# Altium PCB radxa_cm4_io_v1.10.PcbDoc (part 7 of 8) (continued)
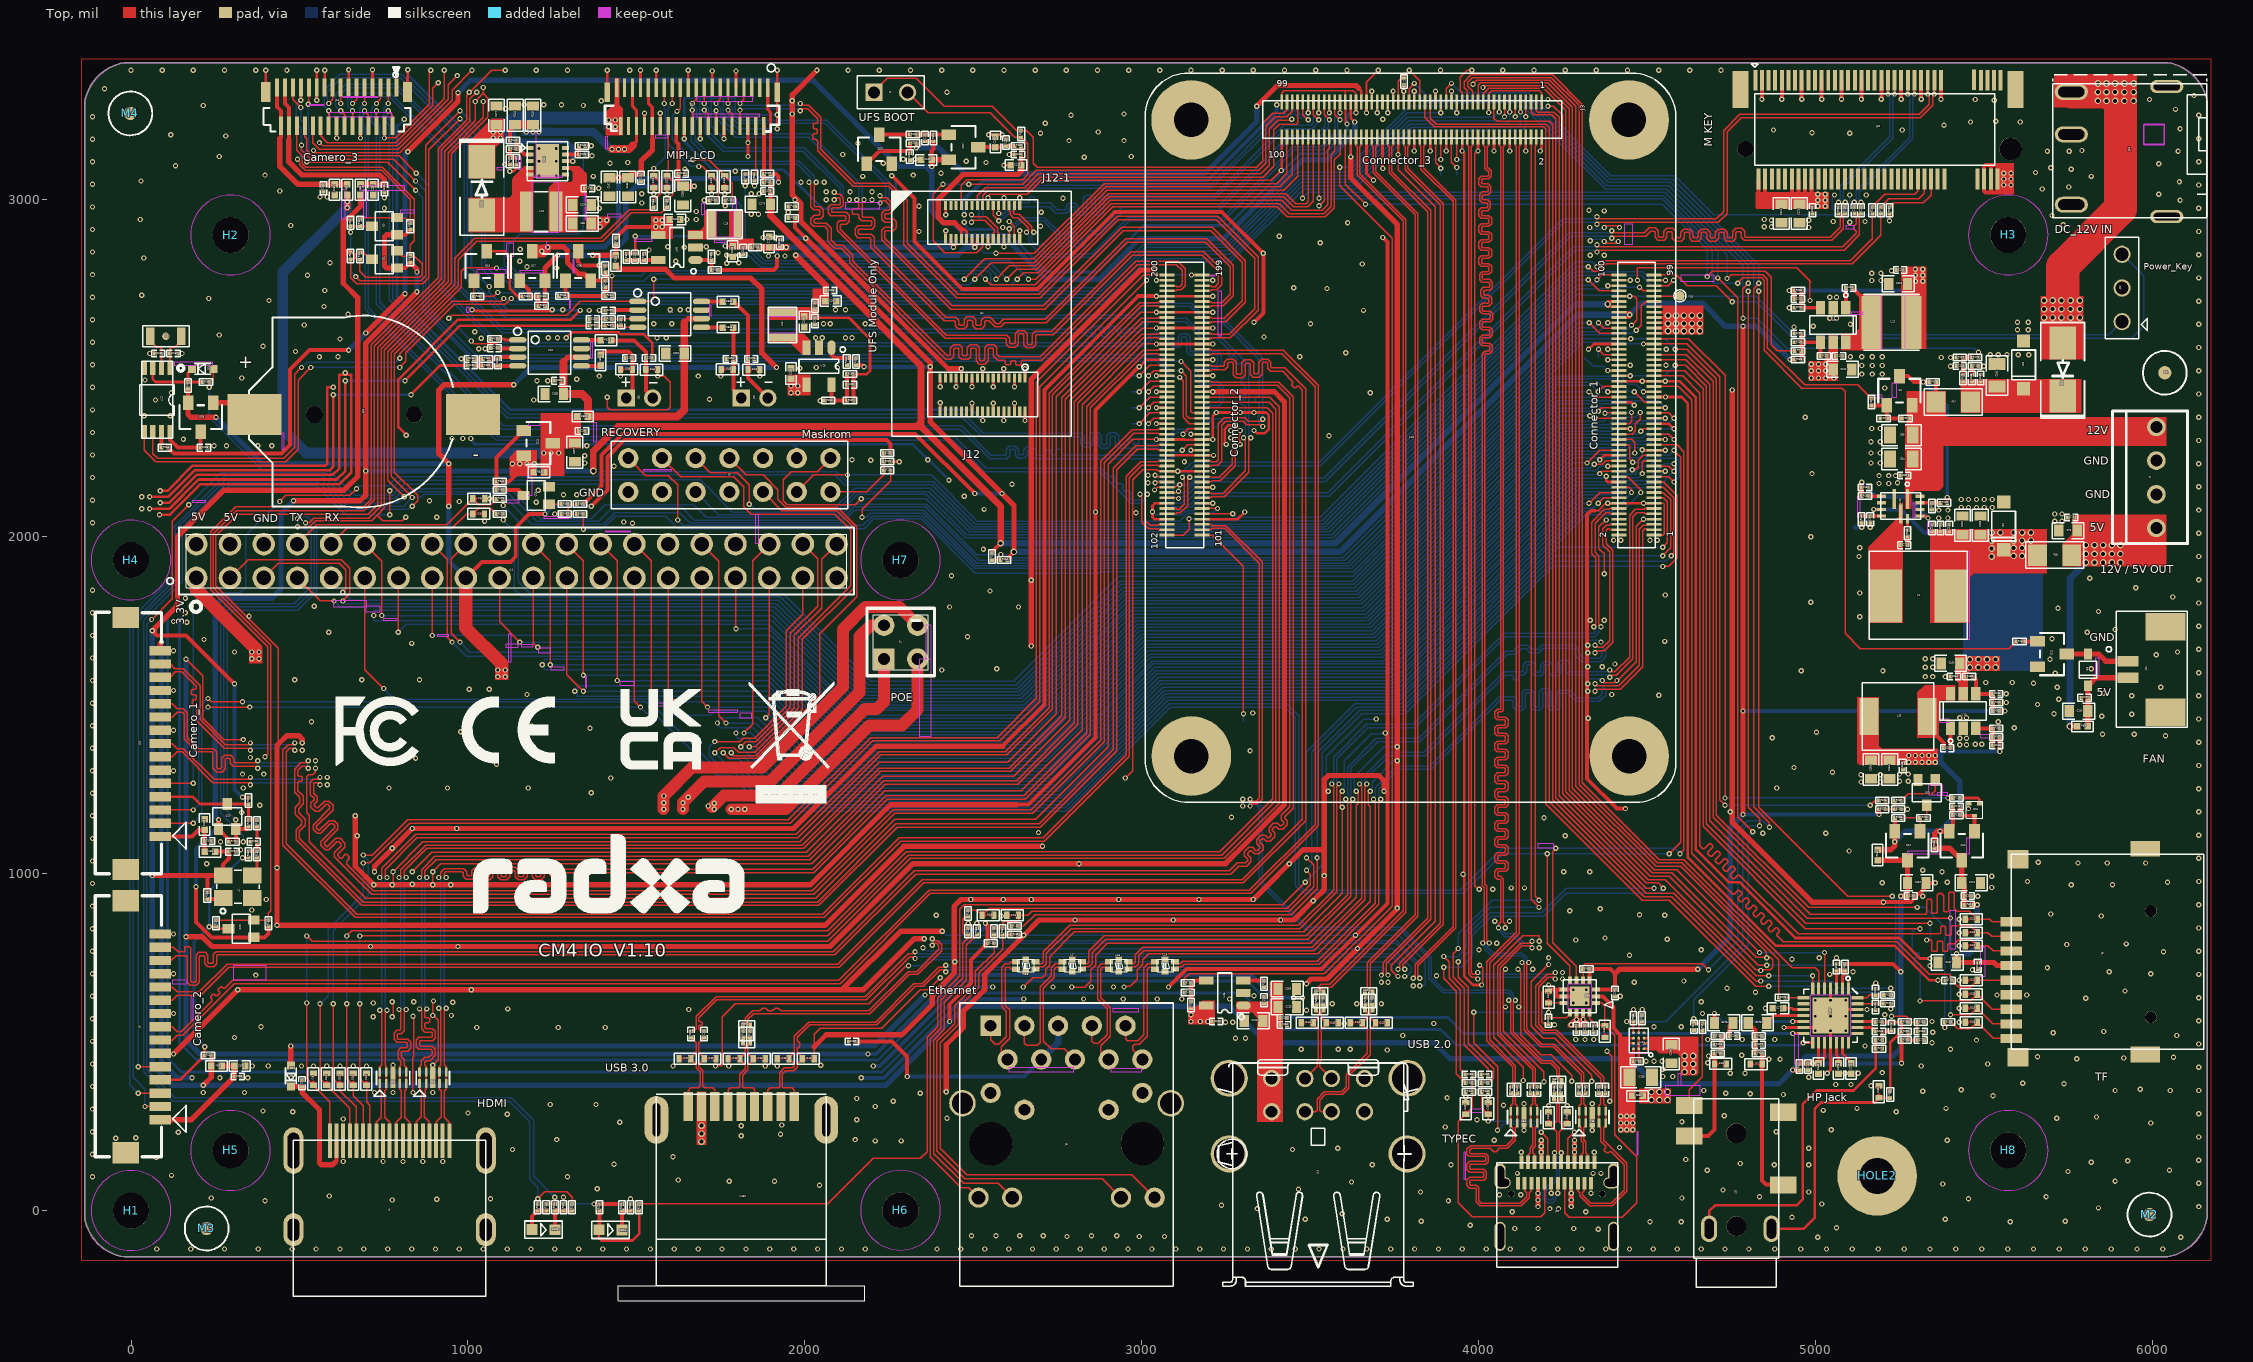
[diagram p0: Top view]
## Nets (pads, with @x,y where several pads share a name; then routed paths per layer and width w, separated by ;. In a path a pad name is that pad's centre, name@x,y a point inside that pad or via, vN(x,y) a via of type N, cw(c..) or ccw(c..) an arc to the next point about the centre after c; other vN are vias at no path point) (continued)
  Top w15.75: D29.2@169.29,2397.64 169.29,2362.2 177.17,2354.33 v1(251.97,2354.33) ; v1(942.91,2090.55) v1(942.91,2216.54) 913.39,2246.06 913.39,2435.04 929.13,2450.79 v1(1135.83,2450.79) ; R254.1@1438.98,2803.15 1448.82,2793.31 1586.61,2793.31 1612.2,2767.72 1838.58,2767.72 1872.05,2734.25 1872.05,2545.28 v1(1915.35,2501.97) ; R164.2@5183.07,1070.87 5222.44,1070.87 5234.25,1082.68 v1(5234.25,1094.49) Q12.2@5234.25,1125.99 ; R231.1@5352.36,1094.49 5352.36,1118.11 5360.24,1125.98 v1(5368.11,1125.98) Q14.2@5395.67,1125.99 Q14.2@5395.67,1114.17
  Top w39.37: J11.1@193.7,1877.56 193.7,1843.7 370.08,1667.32 370.08,1648.62 370.08,1646.39 370.08,1644.98 ; J11.17@993.7,1877.56 993.7,1728.74 1100.39,1622.05 1100.39,1604.33 1100.39,1595.19
  Bottom w11.81: v1(1228.35,2066.93) 1251.97,2090.55 v1(1366.14,2090.55) ; v1(5354.33,1350.39) 5366.14,1362.2 v1(5545.28,1362.2)
  Bottom w15.75: v1(251.97,2354.33) 389.76,2216.54 v1(942.91,2216.54) ; v1(942.91,2090.55) 942.91,1928.35 J11.17@993.7,1877.56 ; v1(1135.83,2450.79) 1187.01,2501.97 v1(1915.35,2501.97) ; v1(5234.25,1094.49) 5265.75,1125.98 v1(5368.11,1125.98) 5427.17,1185.04 5427.17,1273.62 5370.08,1330.71 v1(5354.33,1330.71) v1(5334.65,1330.71) v1(5314.96,1330.71) v1(5295.28,1330.71) v1(5275.59,1330.71)
  other v1: 5275.59,1350.39 5295.28,1350.39 5314.96,1350.39 5334.65,1350.39 1110.24,1584.65 1110.24,1604.33
VCC5V: C78.1 C79.1 FB9.1 J4.4 J11.2 J11.4 R18.2 | length 577.8
  Top w19.68: v2(5753.94,1437.01) FB9.1@5775.59,1437.01 ; R18.2@5759.84,1944.88 5779.53,1944.88 v2(5801.18,1923.23)
  Bottom w19.68: v2(5753.94,1437.01) 5753.94,1875.98 v2(5801.18,1923.23)
  other v2: 5826.77,1923.23 5852.36,1923.23 5877.95,1923.23 5903.54,1923.23 5801.18,1948.82 5826.77,1948.82 5852.36,1948.82 5877.95,1948.82 5903.54,1948.82 5801.18,1974.41 5826.77,1974.41 5852.36,1974.41 5877.95,1974.41 5903.54,1974.41
VCC12V: C83.1 C84.1 C89.1 J4.1 Q1.2 R1.1 R5.2 R17.2 U10.1 | length 59.1
  Top w11.81: R17.2@5356.3,2399.61 R1.1@5356.3,2458.66
VCC12V_DCIN: C155.1 C161.2 C162.1 D4.2 D5.2 R17.1 R176.2
VCC_1V8_S0: C178.1 C179.1 Q2.1 Q3.1 Q19.1 Q20.1 R9.2 R12.2 R212.2 R215.2 R233.1 R271.2 U33.88 U33.90 | length 8367.9
  Top w7.87: U33.88@4415.35,2681.89 4382.28,2681.89 v2(4382.28,2689.76) 4382.28,2697.64 U33.90@4415.35,2697.64
  Top w11.81: v1(192.91,960.63) 192.91,856.3 238.19,811.02 Q19.1@364.17,811.02 395.67,811.02 407.48,822.83 R212.2@407.48,842.52 ; Q20.1@259.84,1131.89 291.34,1100.4 R271.2@291.34,1094.49 ; Q2.1@789.37,2797.24 812.99,2797.24 R9.2@828.74,2812.99 ; Q3.1@789.37,2895.67 812.99,2895.67 R12.2@828.74,2911.42 ; C179.1@1897.64,2986.22 C178.1@1897.64,3025.59 R233.1@1897.64,3051.18 ; R215.2@2555.12,1950.79 2555.12,1954.72 v2(2580.71,1980.32)
  Top w15.75: Q20.1@259.84,1131.89 v1(259.84,1159.45) ; v1(482.28,2106.3) 679.13,2106.3 696.85,2124.02 v1(696.85,2194.88) 696.85,2574.8 v1(848.43,2726.38) ; Q2.1@789.37,2797.24 757.87,2797.24 751.97,2803.15 751.97,2889.76 757.87,2895.67 Q3.1@789.37,2895.67 ; R9.2@828.74,2812.99 848.43,2793.31 v1(848.43,2785.43)
  Top w19.68: v2(1372.05,2194.88) 1372.05,2253.94 1444.88,2326.77 2330.71,2326.77 ; C179.1@1897.64,2986.22 1897.64,2952.76 2344.49,2505.91 2344.49,2340.55 ; v2(2580.71,1980.32) 2580.71,2090.55 2344.49,2326.77 ; 2330.71,2326.77 2344.49,2340.55 ; 2330.71,2326.77 2344.49,2326.77 ; 2344.49,2326.77 2344.49,2340.55
  Bottom w11.81: v1(192.91,960.63) 192.91,1072.83 259.84,1139.76 v1(259.84,1159.45)
  Bottom w15.75: v1(259.84,1159.45) 250,1169.29 250,1797.24 269.69,1816.93 417.32,1816.93 444.88,1844.49 444.88,2068.9 v1(482.28,2106.3) ; v1(696.85,2194.88) v2(1372.05,2194.88) ; v1(848.43,2726.38) v1(848.43,2785.43)
  Bottom w19.68: v2(2580.71,1980.32) 3574.8,1980.32 4284.25,2689.76 v2(4382.28,2689.76)
VCC_1V8_S3: C227.1 C228.1 J3.73 Q22.2 R263.1 R321.1 | length 5152.8
  Top w3.94: J3.73@3619.3,3287.4 J3.73@3619.3,3289.77
  Top w7.87: J3.73@3619.29,3287.4 3619.29,3242.91 v1(3631.89,3230.32)
  Top w11.81: R263.1@110.24,2263.78 127.95,2246.06 446.85,2246.06 472.44,2271.65 472.44,2496.06 529.53,2553.15 v1(645.67,2553.15) ; C228.1@2356.3,3173.23 R321.1@2381.89,3173.23 2381.89,3150.59 2375.98,3144.69 C227.1@2375.98,3118.11
  Top w15.75: v1(696.85,2604.33) v1(812.99,2720.47) ; v1(820.87,3141.73) 970.47,3291.34 v1(970.47,3316.93) ; v1(2375.98,3098.43) C227.1@2375.98,3118.11 2395.67,3118.11 Q22.2@2427.16,3118.11
  Bottom w3.94: v1@2375.98,3096.46 v1(2375.98,3098.43)
  Bottom w15.75: v1(645.67,2553.15) v1(696.85,2604.33) ; v1(812.99,2720.47) 812.99,3133.86 v1(820.87,3141.73) ; v1(970.47,3316.93) 1007.87,3354.33 2023.62,3354.33 2279.53,3098.43 2358.27,3098.43 ; v1@2375.98,3096.46 2375.98,3080.71 ; v1(2375.98,3098.43) 2358.27,3098.43 ; v1(3631.89,3230.32) 3631.89,3200.79 3549.21,3118.11 3476.38,3118.11 3242.13,2883.86 2992.13,2883.86 2872.05,2763.78 2716.54,2763.78 2600.39,2879.92 2564.96,2879.92 2551.18,2893.7 2478.35,2893.7 2440.94,2931.1 2411.42,2931.1 2375.98,2966.54 2375.98,3080.71 ; 2358.27,3098.43 2375.98,3080.71
VCC_3V3_S0: C269.1 R3.2 R204.1 R214.2 R288.1 R303.1 R327.1 R331.1 R351.1 R357.1 U33.84 U33.86 U36.3 U36.4 | length 9721.1
  Top w7.87: U33.84@4415.35,2650.39 4447.24,2650.39 v1(4447.24,2658.27) 4447.24,2666.14 U33.86@4415.35,2666.14
  Top w11.81: R357.1@1342.52,2096.46 1395.67,2149.61 1395.67,2242.13 1458.66,2305.12 2326.77,2305.12 v1(2503.94,2127.95) ; R331.1@1742.13,2791.34 1907.48,2791.34 1917.32,2801.18 v1(1917.32,2832.68) ; R3.2@1970.47,2944.88 1970.47,2917.32 v1(2001.97,2885.83) ; R303.1@2151.57,2509.84 2167.32,2509.84 2173.23,2503.94 v1(2175.2,2503.94) ; R214.2@2600.39,1931.1 2600.39,1935.04 v2(2620.08,1954.72) ; U36.4@4328.74,683.46 R351.1@4328.74,716.54 4389.76,716.54 4403.54,702.76 C269.1@4403.54,655.51 U36.3@4346.85,655.51 ; v1(4923.23,2525.59) R288.1@4937.01,2525.59 ; v1(5187.01,1175.2) R327.1@5187.01,1190.94 ; R204.1@5545.28,1482.28 v1(5561.02,1482.28)
  Top w15.75: v1(2001.97,2885.83) 2372.05,2515.75 v1(2372.05,2503.94) 2372.05,2340.55 v1(2584.65,2127.95) 2620.08,2092.52 v2(2620.08,1954.72) ; 4403.54,702.76 4417.32,716.54 v1(4649.61,716.54) ; v1(4783.46,1175.2) v1(4783.46,1482.28) v1(4783.46,2624.02)
  Bottom w11.81: v1(1917.32,2832.68) 1917.32,2862.2 1940.94,2885.83 v1(2001.97,2885.83) ; v1(2175.2,2503.94) v1(2372.05,2503.94) ; v1(2503.94,2127.95) v1(2584.65,2127.95) ; v1(4783.46,1175.2) v1(5187.01,1175.2) ; v1(4783.46,1482.28) v1(5561.02,1482.28)
  Bottom w15.75: v1(4447.24,2658.27) 4481.89,2692.91 4663.39,2692.91 4732.28,2624.02 v1(4783.46,2624.02) 4824.8,2624.02 v1(4923.23,2525.59) ; v1(4649.61,716.54) 4746.06,812.99 4746.06,1137.8 v1(4783.46,1175.2)
  Bottom w19.68: v2(2620.08,1954.72) 3588.58,1954.72 4292.13,2658.27 v1(4447.24,2658.27)
VCC_LDO5V: P1.1 R181.1 | length 35.4
  Top w9.84: v1(5135.83,2027.56) R181.1@5135.83,2041.34
  Bottom w11.81: P1.1@5114.17,2027.56 v1(5135.83,2027.56)
VCC_LEDA2: C177.1 D24.2 U20.38 U20.39 U21.8 | length 916.5
  Top w9.84: U20.39@1440.94,3331.89 1440.94,3277.56 1452.76,3265.75 U20.38@1452.76,3218.71
  Top w11.81: U21.8@1289.37,3114.17 v1(1311.02,3114.17)
  Top w35.43: D24.2@1041.34,3112.2 1041.34,3179.13 C177.1@1084.65,3222.44
  Bottom w3.94: 1427.17,3226.38 v1(1437.01,3216.54)
  Bottom w15.75: v1(1096.46,3183.07) 1096.46,3179.13 1090.55,3173.23 1291.34,3173.23 1311.02,3153.54 v1(1311.02,3114.17)
  Bottom w39.37: v1(1096.46,3200.79) 1137.8,3242.13 1411.42,3242.13 1427.17,3226.38
  other v1: 1074.8,3183.07 1074.8,3200.79 1417.32,3216.54 1417.32,3236.22 1437.01,3236.22
VCC_LEDK2: R240.2 R244.1 R245.1 U20.34 U20.35 | length 688.4
  Top w3.94: R245.1@1191.56,3222.44 R245.1@1192.91,3222.44 v1(1192.91,3200.79) ; v1(1427.17,3149.61) v1@1427.41,3149.61
  Top w9.84: U20.35@1488.19,3331.89 1488.19,3277.56 1500,3265.75 U20.34@1500,3218.71 1500,3171.26 1490.16,3161.42
  Top w11.81: R240.2@1124.02,3175.2 1124.02,3206.69 R244.1@1139.76,3222.44
  Top w23.62: R244.1@1139.76,3222.44 R245.1@1191.56,3222.44 ; v1@1427.41,3149.61 v1(1446.85,3149.61) v1(1464.57,3149.61) 1478.35,3149.61 1490.16,3161.42
  Bottom w23.62: v1(1173.23,3200.79) v1(1192.91,3200.79) v1(1210.63,3200.79) 1372.05,3200.79 1423.23,3149.61 v1(1464.57,3149.61)
VCC_RTC: C188.1 D29.3 U22.8 | length 171.2
  Top w11.81: U22.8@116.14,2311.02 116.14,2287.4 139.76,2263.78 C188.1@206.69,2263.78 D29.3@206.69,2311.02
VCC_TP: C185.1 C186.1 Q16.3 R232.2 U20.24 | length 790.7
  Top w9.84: 1618.11,3171.26 U20.24@1618.11,3218.71
  Top w11.81: Q16.3@1326.77,2846.46 1326.77,2814.96 1336.61,2805.12 v1(1389.76,2805.12) R232.2@1407.48,2805.12 ; 1618.11,3171.26 1624.02,3165.35 C186.1@1624.02,3076.77 1624.02,3051.18 1625.98,3051.18 C185.1@1637.8,3039.37
  Top w15.75: C185.1@1637.8,3039.37 v1(1671.26,3039.37)
  Bottom w15.75: v1(1389.76,2805.12) 1468.5,2883.86 1468.5,3009.84 1498.03,3039.37 v1(1671.26,3039.37)
VCC_UFS1V2_S0_P: C239.1 C240.1 C242.1 L29.2 R328.1 R329.1 | length 428.9
  Top w7.87: R329.1@1470.47,2840.55 1494.86,2840.55 1496.06,2841.75 v1(1496.06,2891.73) C242.1@1496.06,2840.55 ; v1(1763.78,2862.2) C239.1@1785.43,2862.2
  Bottom w7.87: v1(1496.06,2891.73) 1734.25,2891.73 v1(1763.78,2862.2)
VCC_UFS_S0: C207.1 C208.1 J12.55 J12.56 R284.2 | length 771.5
  Top w9.84: J12.55@2495.67,2883.86 2495.67,2866.54 v1(2503.94,2858.27) 2511.42,2865.75 J12.56@2511.42,2883.86
  Top w19.68: v1(1972.44,2834.65) 2061.02,2746.06 C207.1@2061.02,2698.82
  Bottom w15.75: v1(1972.44,2834.65) 2452.76,2834.65 2476.38,2858.27 v1(2503.94,2858.27)
VCCA3V3_CODEC: C243.1 C244.1 FB15.2 R304.2 U27.16 U27.17 | length 519.1
  Top w7.87: C244.1@5007.87,437.01 5017.72,446.85 5025.59,454.72 U27.17@5025.59,498.03 ; C244.1@5007.87,437.01 U27.16@5007.88,498.03
  Top w11.81: v1(5253.94,437.01) R304.2@5253.94,505.91
  Top w15.75: FB15.2@4950.79,437.01 C243.1@4976.38,437.01 v1(4990.16,437.01) C244.1@5007.87,437.01
  Bottom w11.81: v1(4990.16,437.01) v1(5253.94,437.01)
VCCIO_CODEC: C236.1 FB14.2 U27.2 U27.3 | length 135.2
  Top w7.87: U27.3@5061.03,659.45 C236.1@5061.02,712.6 ; U27.2@5078.74,659.45 5078.74,694.88 5086.61,702.76 FB14.2@5086.61,712.6
  Top w11.81: C236.1@5061.02,712.6 FB14.2@5086.61,712.6
VDDA_1V2_S0: J3.69 R323.1 | length 1540.2
  Top w3.94: J3.69@3650.79,3289.77 J3.69@3650.79,3290.4
  Top w7.87: 3643.7,3329.92 3650.79,3322.83 J3.69@3650.79,3290.4
  Top w11.81: v1(2330.71,3153.54) R323.1@2330.71,3167.32
  Top w15.75: v1(3340.55,3277.56) 3401.57,3338.58 3635.04,3338.58 3643.7,3329.92
  Bottom w15.75: v1(2330.71,3153.54) 2397.64,3153.54 2474.41,3076.77 3185.04,3076.77 3340.55,3232.28 v1(3340.55,3277.56)
VMID_ES8388: C274.1 U27.20 | length 71.6
  Top w7.87: U27.20@5078.74,498.03 5078.74,466.54 5104.33,440.94 C274.1@5104.33,437.01
VREF_ES8388: C272.1 U27.10 | length 60.7
  Top w7.87: C272.1@4903.54,600.39 4929.14,600.39 4933.07,596.46 U27.10@4962.6,596.46
pads on no net: H1.1 H2.1 H3.1 H4.1 H5.1 H6.1 H7.1 H8.1 J6.21 J6.22 J8.14 J8.15 J12.2 J12.4 J12.6 J12.8 J12.10 J12.12 J12.15 J12.16 J12.19 J12.20 J12.21 J12.22 J12.23 J12.25 J12.27 J12.29 J12.31 J12.33 J12.44 J12.45 J12.47 J12.48 J15.H1 J15.H2 J23.3 J23.4 J25.1 J25.7 J25.8 J30.5 J30.6 J30.7 J30.8 J30.10 J30.11 J30.13 J30.17 J30.19 J30.20 J30.22 J30.23 J30.24 J30.25 J30.26 J30.28 J30.29 J30.30 J30.31 J30.32 J30.34 J30.35 J30.36 J30.37 J30.38 J30.40 J30.42 J30.44 J30.46 J30.48 J30.56 J30.58 J30.67 J30.68 J30.69 J30.76 J30.77 M1.1 M2.1 M3.1 M4.1 U10.4 U10.12 U20.3 U20.5 U20.36 U20.37 U21.1 U21.3 U21.6 U21.10 U27.9 U27.21 U27.22 U27.25 U37.D1 Y3.3

## Polygon pours and split planes (outlines as drawn)
GND on Power (solid, remove dead copper, pour order 12): 6084.65,2066.93 6084.65,1832.68 6188.98,1832.68 6188.98,3433.07 -163.39,3433.07 -163.39,-163.39 6188.98,-163.39 6188.98,1818.9 6084.65,1818.9 6084.65,1647.64 5929.13,1647.64 5929.13,773.62 5438.98,283.46 4478.35,283.46 4478.35,-31.5 4133.86,-31.5 4133.86,283.46 3208.66,283.46 3125.98,366.14 3125.98,590.55 2379.92,590.55 1726.38,1244.09 289.37,1244.09 289.37,1669.29 133.86,1669.29 133.86,2208.66 486.22,2208.66 486.22,3379.92 4883.86,3379.92 4883.86,3033.46 5047.24,3033.46 5047.24,2968.5 5147.64,2968.5 5295.28,3116.14 5604.33,3116.14 5604.33,3011.81 5513.78,3011.81 5435.04,2933.07 5435.04,2746.06 5655.51,2746.06 5655.51,3366.14 5982.28,3366.14 5982.28,3263.78 6104.33,3263.78 6104.33,2598.43 5665.35,2598.43 5665.35,2066.93
VCC3V3_SYS on Power (solid, remove dead copper, pour order 11): 297.24,1669.29 297.24,1251.97 1732.28,1251.97 2381.89,602.36 4937.01,602.36 5401.57,1066.93 5401.57,1645.67 4541.34,1645.67 4397.64,1789.37 4124.02,1789.37 3850.39,1515.75 2108.27,1515.75 1954.72,1669.29
+5V_INPUT on Power (solid, remove dead copper, pour order 9): 4874.02,590.55 4874.02,291.34 5435.04,291.34 5921.26,777.56 5921.26,1647.64 5413.39,1647.64 5413.39,1064.96 4938.98,590.55
VBUS_TYPEC0 on Power (solid, remove dead copper, pour order 8): 4470.47,287.4 4141.73,287.4 4141.73,-23.62 4470.47,-23.62
3V3_PCIE on Power (solid, remove dead copper, pour order 7): 5039.37,3025.59 4883.86,3025.59 4883.86,2746.06 5427.17,2746.06 5427.17,2937.01 5509.84,3019.69 5596.46,3019.69 5596.46,3108.27 5301.18,3108.27 5153.54,2960.63 5039.37,2960.63
GND on Power (solid, remove dead copper, pour order 6): 6188.98,1809.06 6188.98,1848.43 6084.65,1848.43 6084.65,1809.06
VCC5V on Power (solid, remove dead copper, pour order 5): 6074.8,2059.06 5663.39,2059.06 5663.39,1923.23 5220.47,1923.23 5220.47,2318.9 3984.25,2318.9 3712.6,2047.24 2625.98,2047.24 2411.42,2261.81 1417.32,2261.81 1356.3,2200.79 141.73,2200.79 141.73,1677.17 1960.63,1677.17 2114.17,1523.62 3842.52,1523.62 4116.14,1797.24 4405.51,1797.24 4547.24,1655.51 6074.8,1655.51
+5V_INPUT on Power (solid, remove dead copper, pour order 4): 3133.86,590.55 3133.86,370.08 3212.6,291.34 4976.38,291.34 4976.38,590.55
+5V_INPUT on Power (solid, remove dead copper, pour order 2): 5655.51,2738.19 4875.98,2738.19 4875.98,3374.02 494.09,3374.02 494.09,2208.66 1348.43,2208.66 1409.45,2269.69 2417.32,2269.69 2631.89,2055.12 3708.66,2055.12 3980.32,2326.77 5230.32,2326.77 5230.32,1931.1 5655.51,1931.1
N38162991 on Power (solid, remove dead copper, pour order 0): 5974.41,3358.27 5665.35,3358.27 5665.35,2606.3 6096.46,2606.3 6096.46,3255.91 5974.41,3255.91
GND on GND (solid, remove dead copper, pour order 1): -155.51,3425.2 -155.51,-155.51 6181.1,-155.51 6181.1,3425.2
GND on Bottom (solid, remove dead copper, pour order 3): -171.26,3440.94 -171.26,-171.26 6196.85,-171.26 6196.85,3440.94
GND on Top (solid, remove dead copper, pour order 10): -147.64,3417.32 -147.64,-147.64 6173.23,-147.64 6173.23,3417.32

## Keep-outs
Top:
  region: 696.85,1777.56 740.16,1777.56 740.16,1793.31 696.85,1793.31 696.85,1777.56
  region: 1407.48,3151.57 1415.35,3151.57 1415.35,3187.01 1407.48,3187.01 1407.48,3151.57
  region: 1135.83,2832.68 1135.83,2870.08 1114.17,2870.08 1114.17,2832.68 1135.83,2832.68
  region: 5488.19,1403.54 5517.72,1403.54 5517.72,1411.42 5488.19,1411.42 5488.19,1403.54
  region: 799.21,2968.5 799.21,2960.63 842.52,2960.63 842.52,2968.5 799.21,2968.5
  region: 1301.18,2702.76 1301.18,2677.17 1305.12,2677.17 1305.12,2702.76 1301.18,2702.76
  region: 1730.32,2874.02 1763.78,2874.02 1763.78,2879.92 1730.32,2879.92 1730.32,2874.02
  region: 683.07,3027.56 812.99,3027.56 812.99,3041.34 683.07,3041.34 683.07,3027.56
  region: 1224.41,2055.12 1301.18,2055.12 1301.18,2059.06 1224.41,2059.06 1224.41,2055.12
  region: 1127.95,1627.95 1127.95,1710.63 1120.08,1710.63 1120.08,1627.95 1127.95,1627.95
  region: 5088.58,2923.23 5088.58,2913.39 5114.17,2913.39 5114.17,2923.23 5088.58,2923.23
  region: 3954.72,92.52 3960.63,92.52 3960.63,173.23 3954.72,173.23 3954.72,92.52
  region: 2913.39,598.43 2913.39,590.55 2990.16,590.55 2990.16,598.43 2913.39,598.43
  region: 1311.02,2783.46 1314.96,2783.46 1314.96,2820.87 1311.02,2820.87 1311.02,2783.46
  region: 1003.94,2665.35 1003.94,2681.1 994.09,2681.1 994.09,2665.35 1003.94,2665.35
  region: 5368.11,1059.06 5368.11,1066.93 5271.65,1066.93 5271.65,1059.06 5368.11,1059.06
  region: 2222.44,2972.44 2222.44,2990.16 2120.08,2990.16 2120.08,2972.44 2222.44,2972.44
  region: 3224.41,2728.35 3224.41,2596.46 3236.22,2596.46 3236.22,2728.35 3224.41,2728.35
  region: 1108.27,3088.58 1108.27,3094.49 1084.65,3094.49 1084.65,3088.58 1108.27,3088.58
  region: 1025.59,2781.5 1114.17,2781.5 1114.17,2791.34 1025.59,2791.34 1025.59,2781.5
  region: 1179.13,2338.58 1179.13,2330.71 1214.57,2330.71 1214.57,2338.58 1179.13,2338.58
  region: 1712.6,1478.35 1801.18,1478.35 1801.18,1484.25 1712.6,1484.25 1712.6,1478.35
  region: 4472.44,234.25 4468.5,234.25 4468.5,165.35 4472.44,165.35 4472.44,234.25
  region: 5192.91,2553.15 5265.75,2553.15 5265.75,2718.5 5192.91,2718.5 5192.91,2553.15
  region: 1208.66,1655.51 1246.06,1655.51 1246.06,1669.29 1208.66,1669.29 1208.66,1655.51
  region: 4222.44,1088.58 4175.2,1088.58 4175.2,1076.77 4222.44,1076.77 4222.44,1088.58
  region: 4263.78,671.26 4263.78,600.39 4334.65,600.39 4334.65,671.26 4263.78,671.26
  region: 3974.41,291.34 4011.81,291.34 4011.81,301.18 3974.41,301.18 3974.41,291.34
  region: 1547.24,2875.98 1547.24,2881.89 1494.09,2881.89 1494.09,2875.98 1547.24,2875.98
  region: 572.83,3281.5 527.56,3281.5 527.56,3279.53 572.83,3279.53 572.83,3281.5
  region: 5415.35,777.56 5415.35,889.76 5397.64,889.76 5397.64,777.56 5415.35,777.56
  region: 1797.24,3001.97 1783.46,3001.97 1783.46,2966.54 1797.24,2966.54 1797.24,3001.97
  region: 1362.2,2531.5 1370.08,2531.5 1370.08,2576.77 1362.2,2576.77 1362.2,2531.5
  region: 5828.74,1639.76 5828.74,1588.58 5840.55,1588.58 5840.55,1639.76 5828.74,1639.76
  region: 2907.48,411.42 3000,411.42 3000,421.26 2907.48,421.26 2907.48,411.42
  region: 1281.5,3068.9 1194.88,3068.9 1194.88,3066.93 1281.5,3066.93 1281.5,3068.9
  region: 122.05,683.07 122.05,673.23 167.32,673.23 167.32,683.07 122.05,683.07
  region: 588.58,3246.06 773.62,3246.06 773.62,3257.87 588.58,3257.87 588.58,3246.06
  region: 1246.06,1604.33 1285.43,1604.33 1285.43,1612.2 1246.06,1612.2 1246.06,1604.33
  region: 5224.41,2454.72 5224.41,2413.39 5240.16,2413.39 5240.16,2454.72 5224.41,2454.72
  region: 5157.48,1694.88 5456.69,1694.88 5456.69,1954.72 5157.48,1954.72 5157.48,1694.88
  region: 127.95,2517.72 127.95,2507.87 242.13,2507.87 242.13,2517.72 127.95,2517.72
  region: 303.15,726.38 303.15,685.04 401.57,685.04 401.57,726.38 303.15,726.38
  region: 909.45,1704.72 942.91,1704.72 942.91,1708.66 909.45,1708.66 909.45,1704.72
  region: 1200.79,3068.9 1202.76,3068.9 1202.76,3196.85 1200.79,3196.85 1200.79,3068.9
  region: 1350.39,2940.94 1350.39,3023.62 1346.46,3023.62 1346.46,2940.94 1350.39,2940.94
  region: 4935.04,435.04 4948.82,435.04 4948.82,521.65 4935.04,521.65 4935.04,435.04
  region: 5375.98,1261.81 5332.68,1261.81 5332.68,1234.25 5375.98,1234.25 5375.98,1261.81
  region: 4590.55,405.51 4590.55,372.05 4600.39,372.05 4600.39,405.51 4590.55,405.51
  region: 1610.24,1498.03 1610.24,1505.91 1547.24,1505.91 1547.24,1498.03 1610.24,1498.03
  region: 1234.25,2848.43 1234.25,2872.05 1232.28,2872.05 1232.28,2848.43 1234.25,2848.43
  region: 2604.33,411.42 2797.24,411.42 2797.24,423.23 2604.33,423.23 2604.33,411.42
  region: 1352.36,1551.18 1352.36,1584.65 1348.43,1584.65 1348.43,1551.18 1352.36,1551.18
  region: 624.02,3029.53 624.02,2942.91 635.83,2942.91 635.83,3029.53 624.02,3029.53
  region: 5456.69,1059.06 5456.69,1104.33 5446.85,1104.33 5446.85,1059.06 5456.69,1059.06
  region: 4553.15,370.08 4553.15,342.52 4657.48,342.52 4657.48,370.08 4553.15,370.08
  region: 1190.94,2122.05 1190.94,2179.13 1175.2,2179.13 1175.2,2122.05 1190.94,2122.05
  region: 698.82,3029.53 688.98,3029.53 688.98,2948.82 698.82,2948.82 698.82,3029.53
  region: 2374.02,1635.83 2338.58,1635.83 2338.58,1407.48 2374.02,1407.48 2374.02,1635.83
  region: 1149.61,1671.26 1149.61,1681.1 1112.2,1681.1 1112.2,1671.26 1149.61,1671.26
  region: 1188.98,2903.54 1269.68,2903.54 1269.68,3051.18 1188.98,3051.18 1188.98,2903.54
  region: 1555.12,3190.94 1555.12,3183.07 1592.52,3183.07 1592.52,3190.94 1555.12,3190.94
  region: 1407.48,2015.75 1407.48,2013.78 1482.28,2013.78 1482.28,2015.75 1407.48,2015.75
  region: 1716.54,2687.01 1716.54,2655.51 1722.44,2655.51 1722.44,2687.01 1716.54,2687.01
  region: 1667.32,3246.06 1866.14,3246.06 1866.14,3253.94 1667.32,3253.94 1667.32,3246.06
  region: 5137.8,1566.93 5137.8,1366.14 5350.39,1366.14 5350.39,1566.93 5137.8,1566.93
  region: 5395.67,1458.66 5368.11,1458.66 5368.11,1448.82 5395.67,1448.82 5395.67,1458.66
  region: 1153.54,2789.37 1153.54,2783.46 1224.41,2783.46 1224.41,2789.37 1153.54,2789.37
  region: 1151.57,2100.39 1151.57,2108.27 1114.17,2108.27 1114.17,2100.39 1151.57,2100.39
  region: 5104.33,2659.45 5139.76,2659.45 5139.76,2665.35 5104.33,2665.35 5104.33,2659.45
  region: 5391.73,1240.16 5360.24,1240.16 5360.24,1232.28 5391.73,1232.28 5391.73,1240.16
  region: 627.95,3305.12 627.95,3303.15 732.28,3303.15 732.28,3305.12 627.95,3305.12
  region: 1450.79,1559.06 1494.09,1559.06 1494.09,1568.9 1450.79,1568.9 1450.79,1559.06
  region: 1157.48,1673.23 1192.91,1673.23 1192.91,1679.13 1157.48,1679.13 1157.48,1673.23
  region: 600.39,1791.34 698.82,1791.34 698.82,1809.06 600.39,1809.06 600.39,1791.34
  region: 5295.28,2098.43 5287.4,2098.43 5287.4,2057.09 5295.28,2057.09 5295.28,2098.43
  region: 181.1,2106.3 181.1,2102.36 222.44,2102.36 222.44,2106.3 181.1,2106.3
  region: 4598.43,2775.59 4598.43,2757.87 4698.82,2757.87 4698.82,2775.59 4598.43,2775.59
  region: 1679.13,3305.12 1679.13,3291.34 1844.49,3291.34 1844.49,3305.12 1679.13,3305.12
  region: 1149.61,3125.98 1149.61,3090.55 1157.48,3090.55 1157.48,3125.98 1149.61,3125.98
  region: 446.85,2307.09 446.85,2259.84 454.72,2259.84 454.72,2307.09 446.85,2307.09
  region: 4431.1,2927.17 4431.1,2868.11 4456.69,2868.11 4456.69,2927.17 4431.1,2927.17
  region: 748.03,1751.97 789.37,1751.97 789.37,1755.91 748.03,1755.91 748.03,1751.97
  region: 177.17,633.86 177.17,566.93 185.04,566.93 185.04,633.86 177.17,633.86
  region: 5196.85,2419.29 5171.26,2419.29 5171.26,2411.42 5196.85,2411.42 5196.85,2419.29
  region: 2374.02,1736.22 2358.27,1736.22 2358.27,1637.8 2374.02,1637.8 2374.02,1736.22
  region: 1807.09,1462.6 1842.52,1462.6 1842.52,1476.38 1807.09,1476.38 1807.09,1462.6
  region: 3200.79,2773.62 3220.47,2773.62 3220.47,2775.59 3200.79,2775.59 3200.79,2773.62
  region: 4503.94,541.34 4444.88,541.34 4444.88,466.54 4503.94,466.54 4503.94,541.34
  region: 1604.33,2194.88 1604.33,2198.82 1519.68,2198.82 1519.68,2194.88 1604.33,2194.88
  region: 5122.05,2118.11 5122.05,2059.06 5131.89,2059.06 5131.89,2118.11 5122.05,2118.11
  region: 1692.91,2988.19 1692.91,2956.69 1702.76,2956.69 1702.76,2988.19 1692.91,2988.19
  region: 1852.36,1980.32 1862.2,1980.32 1862.2,2064.96 1852.36,2064.96 1852.36,1980.32
  region: 5338.58,2043.31 5330.71,2043.31 5330.71,2007.87 5338.58,2007.87 5338.58,2043.31
  region: 1413.39,2956.69 1413.39,2948.82 1454.72,2948.82 1454.72,2956.69 1413.39,2956.69
  region: 5488.19,694.88 5501.97,694.88 5501.97,781.5 5488.19,781.5 5488.19,694.88
  region: 1372.05,2338.58 1372.05,2281.5 1381.89,2281.5 1381.89,2338.58 1372.05,2338.58
Bottom:
  region: 3003.94,2133.86 3003.94,2222.44 2958.66,2222.44 2958.66,2133.86 3003.94,2133.86
  region: 3415.35,3253.94 3415.35,3218.5 3464.57,3218.5 3464.57,3253.94 3415.35,3253.94
  region: 194.88,340.55 206.69,340.55 206.69,358.27 194.88,358.27 194.88,340.55
  region: 5395.67,881.89 5344.49,881.89 5344.49,864.17 5395.67,864.17 5395.67,881.89
  region: 3161.42,2301.18 3151.57,2301.18 3151.57,2259.84 3161.42,2259.84 3161.42,2301.18
  region: 5287.4,895.67 5287.4,816.93 5303.15,816.93 5303.15,895.67 5287.4,895.67
  region: 3013.78,2679.13 3013.78,2608.27 3108.27,2608.27 3108.27,2679.13 3013.78,2679.13
  region: 2523.62,2966.54 2840.55,2966.54 2840.55,3029.53 2523.62,3029.53 2523.62,2966.54
  region: 3161.42,2637.8 3161.42,2555.12 3236.22,2555.12 3236.22,2637.8 3161.42,2637.8
  region: 730.31,3192.91 730.31,2931.1 763.78,2931.1 763.78,3192.91 730.31,3192.91
  region: 4427.17,2736.22 4427.17,2769.69 4413.39,2769.69 4413.39,2736.22 4427.17,2736.22
  region: 2692.91,2907.48 2692.91,2901.57 2744.09,2901.57 2744.09,2907.48 2692.91,2907.48
  region: 3187.01,2501.97 3187.01,2460.63 3240.16,2460.63 3240.16,2501.97 3187.01,2501.97
  region: 4553.15,2773.62 4553.15,2769.69 4675.2,2769.69 4675.2,2773.62 4553.15,2773.62
  region: 2667.32,2980.32 2667.32,2946.85 2722.44,2946.85 2722.44,2980.32 2667.32,2980.32
  region: 994.09,2696.85 994.09,2657.48 1023.62,2657.48 1023.62,2696.85 994.09,2696.85
  region: 3198.82,2393.7 3198.82,2348.43 3267.72,2348.43 3267.72,2393.7 3198.82,2393.7
  region: 45.28,328.74 45.28,314.96 124.02,314.96 124.02,328.74 45.28,328.74
  region: 1206.69,2655.51 1206.69,2580.71 2862.2,2580.71 2862.2,2655.51 1206.69,2655.51
  region: 3346.46,2334.65 3346.46,2519.69 3257.87,2519.69 3257.87,2334.65 3346.46,2334.65
  region: 6049.21,2675.2 5907.48,2675.2 5907.48,2661.42 6049.21,2661.42 6049.21,2675.2
  region: 5305.12,761.81 5375.98,761.81 5375.98,783.46 5305.12,783.46 5305.12,761.81
Keep-Out Layer:
  lines w3.94: -137.8,-19.29 -137.8,3288.58 ; -137.8,-19.23 ccw(c-0.02,0.38) -19.63,-137.41 ; -137.79,3288.63 cw(c4.92,3263.98) -19.73,3406.69 ; -19.69,-137.4 6043.7,-137.4 ; -19.69,3406.69 6043.7,3406.69 ; 6043.62,3406.71 cw(c6020.78,3265.66) 6161.78,3288.75 ; 6043.67,-137.41 ccw(c6017.43,6.98) 6161.82,-19.26 6161.81,3288.58 ; 5972.44,3163.39 5972.44,3224.41 6033.46,3224.41 6033.46,3163.39 5972.44,3163.39